# KiCad board Warp-SE.kicad_pcb (continued)
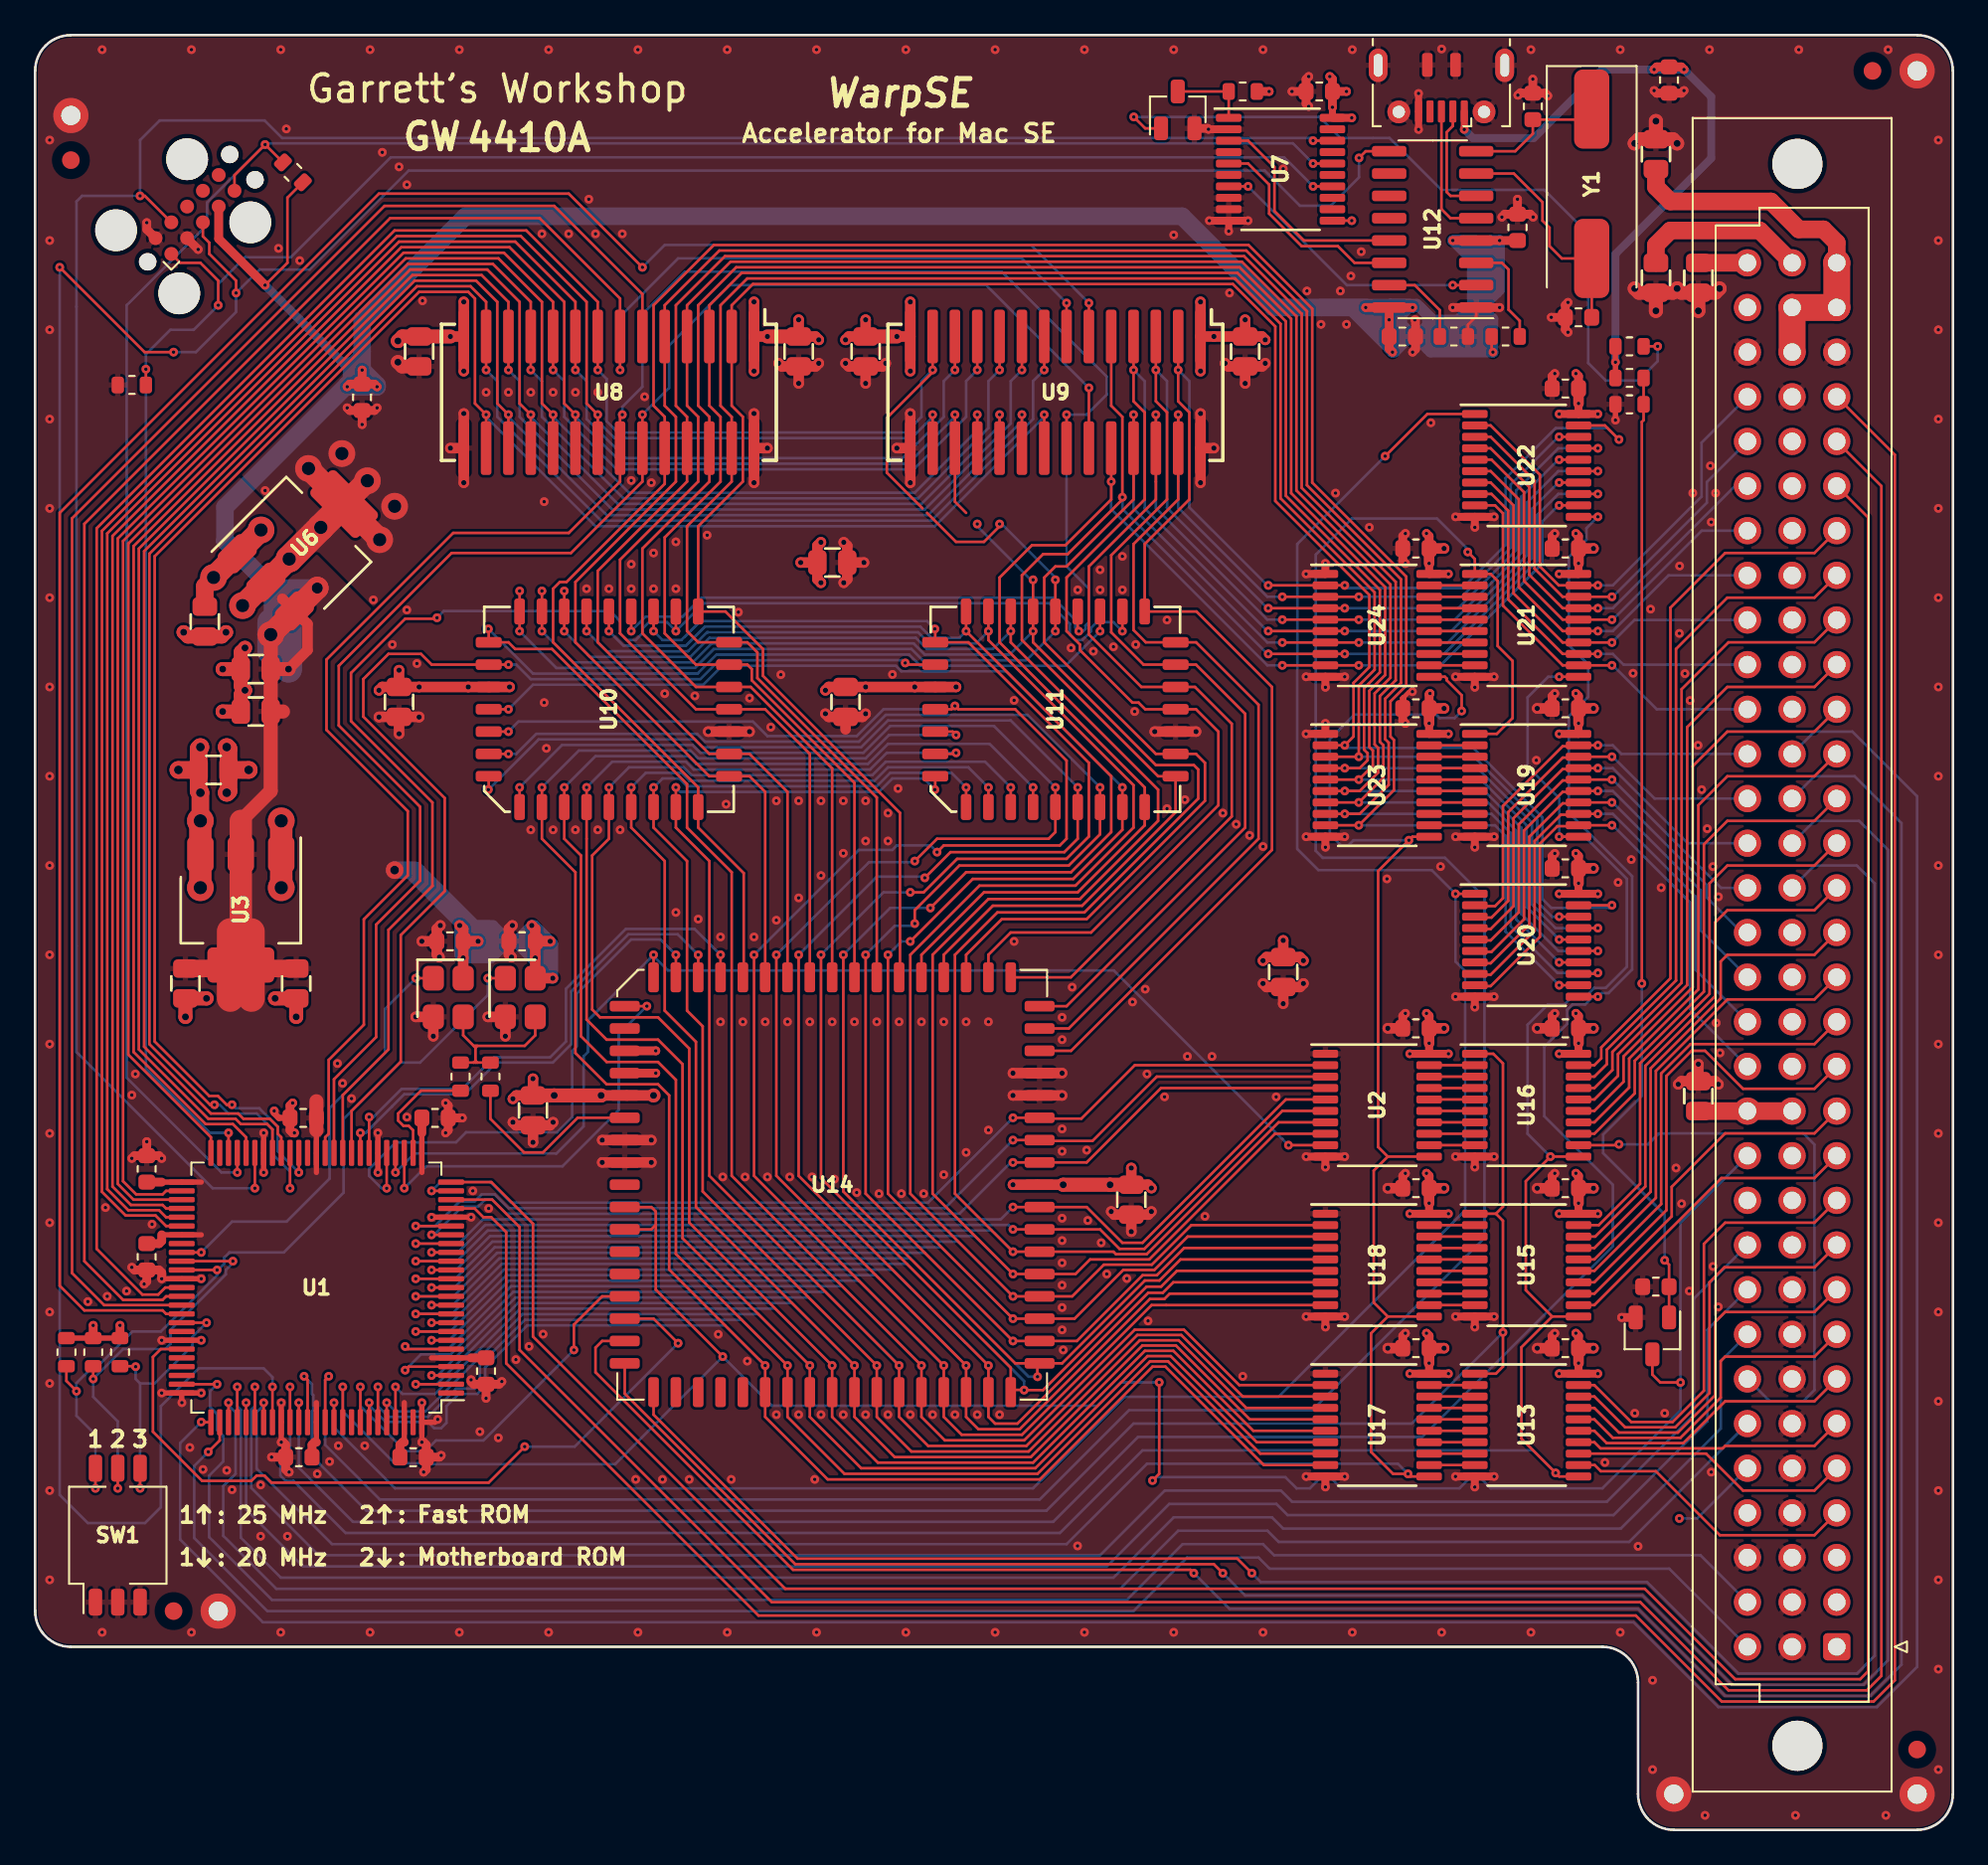
[diagram p0: board, top side]
## Nets (continued)
/Control/TDI: J2.9 U1.45 U7.18
/Control/TMS: J2.5 R15.2 U1.47 U7.16
/Control/U~{WE}: U1.66 U9.6
/Control/~{CAS}: U1.36 U8.23 U9.23
/Control/~{OE}: U1.37 U8.22 U9.22 U10.24 U11.24
/Control/~{RAS}: U1.64 U8.7 U9.7
/Control/~{RESET}: J1.C12 Q2.3 U1.91 U14.19 U14.20
/MC68k/~{IPL}0: J1.B18 U14.27
/MC68k/~{IPL}1: J1.B19 U14.26
/MC68k/~{IPL}2: J1.B20 U14.25
/Prog/JTAG~{OE}: Q1.3 R8.2 U7.1
/Prog/TDO: J2.3 U1.83 U12.9
/Prog/USB5V: C25.1 J3.1 R7.2 R11.2
/Prog/UTCK: U7.7 U12.2
/Prog/UTDI: U7.3 U12.13
/Prog/UTMS: U7.5 U12.14
/RAMROM/B: U10.29 U11.25
Net-(C46-Pad1): C46.1 U12.8 Y1.1
Net-(C47-Pad1): C47.1 U12.7 Y1.2
Net-(C48-Pad1): C48.1 Q2.1 R10.1 R11.1
Net-(J3-Pad2): J3.2 U12.6
Net-(J3-Pad3): J3.3 U12.5
Net-(Q1-Pad1): Q1.1 R7.1
Net-(R1-Pad1): R1.1 R2.1 U4.3 U5.3
Net-(R5-Pad1): R5.1 U12.15
Net-(R9-Pad2): R9.2 U12.3
Net-(U13-Pad2): U13.2 U17.19
Net-(U13-Pad3): U13.3 U17.18
Net-(U13-Pad4): U13.4 U17.17
Net-(U13-Pad5): U13.5 U17.16
Net-(U13-Pad6): U13.6 U17.15
Net-(U13-Pad7): U13.7 U17.14
Net-(U13-Pad8): U13.8 U17.13
Net-(U13-Pad9): U13.9 U17.12
Net-(U15-Pad2): U15.2 U18.19
Net-(U15-Pad3): U15.3 U18.18
Net-(U15-Pad4): U15.4 U18.17
Net-(U15-Pad5): U15.5 U18.16
Net-(U15-Pad6): U15.6 U18.15
Net-(U15-Pad7): U15.7 U18.14
Net-(U15-Pad8): U15.8 U18.13
Net-(U15-Pad9): U15.9 U18.12
Net-(U16-Pad2): U2.19 U16.2
Net-(U16-Pad3): U2.18 U16.3
Net-(U16-Pad4): U2.17 U16.4
Net-(U16-Pad5): U2.16 U16.5
Net-(U16-Pad6): U2.15 U16.6
Net-(U16-Pad7): U2.14 U16.7
Net-(U16-Pad8): U2.13 U16.8
Net-(U16-Pad9): U2.12 U16.9
Net-(U19-Pad2): U19.2 U23.19
Net-(U19-Pad3): U19.3 U23.18
Net-(U19-Pad4): U19.4 U23.17
Net-(U19-Pad5): U19.5 U23.16
Net-(U19-Pad6): U19.6 U23.15
Net-(U19-Pad7): U19.7 U23.14
Net-(U19-Pad8): U19.8 U23.13
Net-(U19-Pad9): U19.9 U23.12
Net-(U21-Pad2): U21.2 U24.19
Net-(U21-Pad3): U21.3 U24.18
Net-(U21-Pad4): U21.4 U24.17
Net-(U21-Pad5): U21.5 U24.16
Net-(U21-Pad6): U21.6 U24.15
Net-(U21-Pad7): U21.7 U24.14
Net-(U21-Pad8): U21.8 U24.13
Net-(U21-Pad9): U21.9 U24.12

Pads without a net: FID1 ~; FID2 ~; FID3 ~; FID4 ~; J1 A1 A2 A3 B10 B11 B12 B22 B23 B24 B25 B26 B27 B28 C4 C5 C11 C31; J2 6 7 8; J3 4; U1 1 39 49 58 68 71 72 73 92 99; U7 12 13 15 17 19; U12 10 11 12; U14 11 18 21 22 28 29 30 31

## Via types
v1: diameter 0.8, hole 0.4, Top to Bottom, 26 vias
v2: diameter 0.5, hole 0.2, Top to Bottom, 798 vias
v3: diameter 1.524, hole 0.762, Top to Bottom, 15 vias
v4: diameter 0.6, hole 0.3, Top to Bottom, 125 vias
v5: diameter 1, hole 0.5, Top to Bottom, 7 vias
v6: diameter 1.27, hole 0.635, Top to Bottom, 1 via

## Routing (per net, layer and track width the routed paths; a pad name or vN(x,y) marks a point on that pad's centre or on a via; arc(x,y) is an arc through that point)
+3V3: length 421.4
  Top w0.15: R15.1 14.35,92.86 14.35,89.15 v2(13.08,87.88) ; R9.1 82.85,84.15 v2(82.93,84.07)
  Top w0.3: 16,39.8 U1.38 16,37.4 ; 22.55,26.85 U1.5 24.8,26.85 ; 9.45,36.85 U1.51 7.2,36.85 ; 16,24.3 U1.88 16,22.05 ; 9.45,33.85 U1.57 7.2,33.85 ; 22,39.65 U1.26 22,37.4 ; 21,22.05 U1.98 21,24.3 ; R6.1 R3.1 R4.1
  Top w0.5: C30.1 15.75,21.9 15.9,22.05 16,22.05 ; C31.1 7.05,33.35 7.2,33.5 7.2,33.85 ; 21,22.05 20.9,22.05 20.75,21.9 C29.1 ; R3.1 v2(3.3,28.7) ; C27.1 22,39.65 ; C28.1 24.8,26.85 ; C32.1 7.2,36.85 ; U12.16 v2(75.69,86.61) ; U12.16 v2(78.36,86.61) ; U12.16 77.03,85.92 v2(77.03,85.92) C21.1 77.03,84.26 v2(77.22,84.07) ; v2(80.64,90.42) U12.4 v2(83.31,90.42) C23.1 ; C11.1 v2(18.6,83.05) ; C11.1 19.3,82.25 v2(19.45,82.1) ; C11.1 17.9,82.25 v2(17.75,82.1) ; v2(13.08,87.88) 10.44,90.52 J2.4 ; R4.1 v2(4.83,28.7)
  Top w0.6: C6.1 v4(29.3,50.55) ; C6.1 28.45,51.25 v4(28.25,51.45) ; C6.1 v4(28.45,49.6) U4.4 v4(29.45,48.45) ; C5.1 24.35,51.25 v4(24.15,51.45) ; C5.1 v4(24.35,49.6) U5.4 ; C5.1 v4(25.2,50.55) ; 13.4,68 v3(13.4,68) ; 14.06,70.04 U6.3 15.49,68.6 15.49,67.12 v1(14.41,66.04)
  Top w0.8: 16,39.8 C26.1 16,41.45 ; 13.4,68 C10.1 ; C10.1 C9.1 ; C10.1 v1(14.41,66.04) ; C9.1 14.1,63.63 ; C9.1 13.4,59.1 11.7,57.4
  Top w1: C7.1 11.5,49 ; C8.1 11.9,49
  Top w1.27: 13.4,68 v3(13.4,68) U6.3 v6(16.05,70.65) 16.05,70.65 ; 11.7,57.4 U3.2 U3.2
  Top w1.524: 11.1,51.1 11.1,49.8 U3.2 ; 12.3,51.1 12.3,49.8 U3.2 ; U3.2 11.1,48.6 11.1,47.3 ; U3.2 12.3,48.6 12.3,47.3
  Bottom w0.5: v2(13.08,87.88) 17.45,83.51 ; 17.45,83.51 17.95,83.51 18.55,84.1 18.6,84.1 ; 17.45,83.51 17.75,83.22 v2(17.75,82.1) ; 17.45,83.51 17.46,83.5 18.15,83.5 v2(18.6,83.05) 17.91,83.05 17.45,83.51
  Bottom w0.6: v4(29.45,48.45) 29.45,50.4 28.4,51.45 ; v4(29.45,48.45) 29.05,48.85 29.05,50.3 v4(29.3,50.55) ; v4(29.45,48.45) 29.4,48.45 ; v4(25.2,50.55) 23.1,52.65 24.15,51.6 24.15,49.8 ; v4(25.2,50.55) 24.3,51.45 v4(24.15,51.45) ; v4(25.2,50.55) 25.2,50.45 v4(24.35,49.6) ; v4(25.2,50.55) 24.65,50.55 ; 24.15,49.8 v4(24.35,49.6) ; 24.15,49.8 v4(24.15,51.45) ; 21.1,54.6 21.9,54.6 ; 21.1,54.6 v5(20.45,54.6) ; 21.1,54.6 24.15,51.55 v4(24.15,51.45) ; 21.9,54.6 25.95,50.55 ; 21.9,54.6 21.75,54.75 ; 28.4,51.45 v4(28.25,51.45) ; 28.4,51.45 v4(29.3,50.55) ; 26,50.55 v4(29.3,50.55) ; v5(20.45,54.6) 20.6,54.75 21.75,54.75 ; v5(20.45,54.6) 20.6,54.45 21.45,54.45 21.75,54.75 ; v4(29.3,50.55) 29.3,50.45 v4(28.45,49.6) ; v4(24.35,49.6) 24.35,51.25 v4(24.15,51.45) ; v4(24.35,49.6) 24.77,50.03 26.37,50.03 ; v4(24.35,49.6) 25.95,49.6 26.37,50.03 ; v4(28.45,49.6) 28.3,49.6 27.35,50.55 ; v4(28.45,49.6) 28.45,51.25 v4(28.25,51.45) ; v4(28.45,49.6) 28.25,49.8 v4(28.25,51.45) ; v4(28.45,49.6) 27.6,50.45 ; v4(24.15,51.45) 26.05,51.45 27.05,50.45 27.6,50.45 ; v4(24.15,51.45) 25.8,51.45 26.8,50.45 ; 27.35,50.55 v4(28.25,51.45) ; 27.35,50.55 27.95,50.55 ; 27.35,50.55 27.35,50.5 29.4,48.45 ; 78.75,86.65 79.2,86.2 79.2,85.6 78.8,85.2 ; 78.75,86.65 79.45,85.95 79.45,85.2 ; 78.75,86.65 80.2,85.2 80.25,85.2 ; 78.75,86.65 77.25,86.65 77.1,86.8 ; 78.75,86.65 79.5,85.9 80.95,85.9 81.75,86.7 ; 78.75,86.65 78.6,86.8 77.1,86.8 ; v2(82.93,84.07) 79.38,84.07 79.2,84.25 ; v2(82.93,84.07) 82.93,85.97 82.6,86.3 82.6,86.9 83.15,87.45 ; v2(82.93,84.07) 82.75,84.25 79.2,84.25 ; v2(82.93,84.07) 82.6,84.41 82.6,84.85 ; v2(82.93,84.07) 82.2,84.8 78.1,84.8 ; 78.8,85.2 78.2,85.2 77.49,85.92 v2(77.03,85.92) ; 78.8,85.2 79.45,85.2 ; 80.65,84.8 81.45,84.8 82.6,85.95 ; 80.65,84.8 81.57,85.73 ; 80.65,84.8 78.1,84.8 ; 29.4,48.45 27.4,50.45 26.8,50.45 ; 82.6,89.71 81.89,90.42 v2(80.64,90.42) ; 82.6,89.71 v2(83.31,90.42) ; 82.6,89.71 82.6,85.95 ; 79.45,85.2 80.25,85.2 ; 82.6,85.95 82.6,84.85 ; 82.6,84.85 82.45,84.85 81.57,85.73 ; v2(83.31,90.42) 83.15,90.26 83.15,87.45 ; v2(83.31,90.42) v2(80.64,90.42) ; v2(83.31,90.42) 83.31,87.62 83.15,87.45 ; v2(83.31,90.42) 82.85,90.42 81.75,89.32 ; v2(83.31,90.42) 82.3,89.41 ; 81.57,85.73 82.3,86.45 82.3,89.41 ; 81.75,89.32 v2(80.64,90.42) ; 81.75,89.32 81.75,86.7 ; 80.25,85.2 81.75,86.7 ; 79.2,84.25 78.65,84.8 78.1,84.8 ; 77.1,86.8 73.38,86.8 73.19,86.61 74.68,86.61 ; 77.1,86.8 78.17,86.8 v2(78.36,86.61) ; 74.68,86.61 75.14,86.61 77.03,84.73 ; 74.68,86.61 v2(77.22,84.07) ; v2(78.36,86.61) 77.72,86.61 v2(77.03,85.92) ; v2(78.36,86.61) 78.16,86.61 ; v2(78.36,86.61) v2(75.69,86.61) ; v2(80.64,90.42) 81.29,90.42 82.3,89.41 ; 27.6,50.45 26.8,50.45 ; v2(77.22,84.07) 77.22,85.73 v2(77.03,85.92) ; v2(77.22,84.07) 77.34,84.07 78.07,84.8 78.1,84.8 ; v2(77.22,84.07) 77.22,85.09 v2(75.69,86.61) ; v2(77.22,84.07) 77.22,85.67 78.16,86.61 ; v2(77.22,84.07) 77.03,84.26 77.03,84.73 ; v2(77.22,84.07) 77.75,84.61 77.75,86.2 78.16,86.61 ; v2(75.69,86.61) 76.39,85.92 v2(77.03,85.92) ; v2(75.69,86.61) 76.33,86.61 v2(77.03,85.92) ; 26.37,50.03 26.8,50.45 ; v2(77.03,85.92) 77.03,84.73
  Bottom w0.8: v4(25.2,50.55) 28.75,50.55
  Bottom w1: v5(20.45,54.6) 21.6,54.6 ; 10.8,73.34 13.5,70.64 13.5,68.1 ; 10.8,73.34 13.99,70.15 ; 10.8,73.34 10.8,75.25 v2(18.6,83.05) ; 10.8,73.34 13.49,70.65 v6(16.05,70.65) ; 14.67,69.46 14.67,66.3 v1(14.41,66.04) 13.99,66.46 13.99,70.15 ; 14.67,69.46 13.4,68.19 v3(13.4,68) ; 14.67,69.46 13.99,70.15 ; v2(18.6,83.05) 19.45,82.2 v2(19.45,82.1) v2(17.75,82.1) 17.75,82.2 v2(18.6,83.05) ; v2(18.6,83.05) 18.6,85.92 24.48,91.8 65.25,91.8 70.44,86.61 v2(75.69,86.61)
  Bottom w1.27: v6(16.05,70.65) 14.41,69.02 v1(14.41,66.04)
  Bottom w1.524: v3(13.4,68) 14.41,66.99 v1(14.41,66.04) 13.4,67.05 v3(13.4,68) ; v3(13.4,68) 13.4,68.71 ; v3(13.4,68) 13.5,68.1
+5V: length 162.7
  Top w0.15: U7.11 v2(74.9,91.55)
  Top w0.4: U7.20 v2(73.8,98)
  Top w0.45: v2(80.4,71.45) U24.20 v2(79.3,72.05) ; v2(86.7,71.45) U21.20 v2(87.8,72.05) ; U2.20 v2(78.2,44.15) ; U2.20 v2(79.3,44.75) ; U2.20 v2(80.4,44.15) ; v2(79.3,62.95) U23.20 v2(80.4,62.35) ; U13.20 v2(88.9,25.95) ; U13.20 v2(86.7,25.95) ; U13.20 v2(87.8,26.55) ; U22.20 v2(88.9,80.55) ; U22.20 v2(87.8,81.15) ; U22.20 v2(86.7,80.55) ; U15.20 v2(86.7,35.05) ; U15.20 v2(88.9,35.05) ; U15.20 v2(87.8,35.65) ; v2(86.7,62.35) U19.20 v2(87.8,62.95) ; U20.20 v2(86.7,53.25) ; U20.20 v2(87.8,53.85) ; U20.20 v2(88.9,53.25) ; v2(87.8,44.75) U16.20 v2(86.7,44.15) ; U18.20 v2(78.2,35.05) ; U18.20 v2(79.3,35.65) ; U18.20 v2(80.4,35.05) ; U17.20 v2(79.3,26.55) ; U17.20 v2(78.2,25.95) ; U17.20 v2(80.4,25.95) ; U7.20 v2(74.9,97.4)
  Top w0.5: 33.67,43.05 v2(35.31,43.05) ; 33.67,44.32 v2(35.31,44.32) ; C36.1 79.3,64.6 v2(79.35,64.65) ; C35.1 87.8,73.6 v2(87.65,73.75) ; v2(79.15,73.75) 79.3,73.6 C34.1 ; v2(87.65,64.65) 87.8,64.5 C37.1 ; v2(87.65,82.85) 87.8,82.7 C33.1 ; v2(79.15,46.45) 79.3,46.3 C39.1 ; C38.1 87.8,55.4 v2(87.65,55.55) ; v2(87.65,46.45) 87.8,46.3 C40.1 ; v2(79.15,28.25) 79.3,28.1 C43.1 ; C44.1 87.8,28.1 v2(87.65,28.25) ; C41.1 79.3,37.2 v2(79.15,37.35) ; v2(87.65,37.35) 87.8,37.2 C42.1 ; C49.1 v2(74.6,98.9) ; C49.1 v2(73.8,98) ; C49.1 73.8,99.6 v2(73.65,99.75) ; R8.1 v2(70.2,98.9)
  Top w0.6: C15.1 69.79,84.96 v4(69.98,84.77) ; C15.1 v4(67.06,84.96) U9.1 ; C15.1 v4(68.83,85.92) ; U8.1 v4(41.66,84.96) ; U8.1 v4(40.89,82.99) ; U8.1 v4(40.89,86.93) ; 24.38,84.96 v4(24.38,82.99) ; 24.38,84.96 v4(24.38,86.93) ; 24.38,84.96 v4(23.62,84.96) ; U9.1 v4(66.29,86.93) ; U9.1 v4(66.29,82.99) ; U9.14 v4(49.78,82.99) ; U9.14 v4(49.78,86.93) ; U9.14 v4(49.02,84.96) ; C16.1 v4(20.7,65.98) ; C16.1 v4(21.84,65.02) v4(24.64,65.02) U10.32 v4(26.99,65.02) ; C16.1 19.75,65.02 v4(19.56,64.83) ; v4(52.39,65.02) U11.32 v4(50.04,65.02) v4(47.24,65.02) C17.1 45.15,65.02 v4(44.96,64.83) ; v1(58.48,36.7) v4(55.63,36.7) ; v4(43.43,85.92) C13.1 44.39,84.96 v4(44.58,84.77) ; v4(47.24,85.92) C14.1 46.29,84.96 v4(46.1,84.77) ; v1(35.18,41.78) v1(32.19,41.78) ; v4(27.18,41.59) 27.37,41.78 C1.1 v4(28.32,42.74) ; v2(79.3,44.75) C39.1 v4(80.15,45.6) ; v4(63.5,36.51) 63.31,36.7 C2.1 v4(62.36,37.66) ; v2(79.3,26.55) C43.1 v4(80.15,27.4) ; v2(87.8,35.65) C42.1 v4(88.65,36.5) ; v2(79.3,35.65) C41.1 v4(80.15,36.5) ; v2(87.8,26.55) C44.1 v4(88.65,27.4) ; v2(87.8,44.75) C40.1 v4(88.65,45.6) ; v2(87.8,53.85) C38.1 v4(88.65,54.7) ; v2(87.8,62.95) C37.1 v4(88.65,63.8) ; v2(79.3,62.95) C36.1 v4(80.15,63.8) ; v2(79.3,72.05) C34.1 v4(80.15,72.9) ; v2(87.8,72.05) C35.1 v4(88.65,72.9) ; v2(87.8,81.15) C33.1 ; C19.1 v4(71,50.6) ; C19.1 70.05,49.65 v4(69.85,49.45) ; C19.1 71.95,49.65 v4(72.15,49.45) ; v4(44.7,73.25) 44.5,73.05 C45.1 ; C45.1 v4(43.55,72.1) ; C45.1 44.5,71.15 v4(44.7,70.95)
  Top w0.8: v4(23.62,84.96) C12.1 20.89,84.96 v1(20.64,84.71) ; v4(41.66,84.96) C13.1 ; C14.1 v4(49.02,84.96) ; v1(58.48,36.7) v1(61.15,36.7) C2.1 ; C1.1 v1(29.53,41.78) v1(32.19,41.78)
  Top w1: v3(10.15,71.25) 9.65,70.76 C4.1 ; v5(9.4,61.6) 9.3,61.5 C3.1 ; C3.1 v5(8.15,60.3) ; C3.1 9.3,59.1 v5(9.4,59) v3(9.4,57.4) ; 97.54,40.89 97.55,40.9 ; C18.1 J1.C13 J1.B13
  Top w1.27: v3(10.15,71.25) 10.15,71.26 U6.1 12.85,73.95 v3(12.85,73.95) ; v3(9.4,57.4) U3.3 v3(9.4,53.6)
+12V: length 21.4
  Top w1: J1.A32 102.49,90.3 101.73,91.06 100.33,91.06 98.74,92.65 93.03,92.65 92.2,93.47 C22.1
  Top w1.524: J1.B30 J1.B31 J1.A31 J1.A32
-5V: length 9.9
  Top w1: J1.B32 98.11,91 93.03,91 92.2,90.17 C20.1
-12V: length 2.8
  Top w1: C24.1 J1.C32
GND: length 256
  Top w0.15: C36.2 77.8,64.48 77.71,64.39 77.71,63.89 C36.2 ; C36.2 77.94,63.94 77.94,64.44 78.25,64.75 v2(78.35,64.75) 78.1,64.75 77.8,64.45 C36.2 ; U12.1 81.98,86.1 81.51,85.64 R5.2
  Top w0.3: v2(14,22.05) U1.84 v2(14,24.3) ; U1.100 v2(22,22.05) ; U1.100 v2(22,24.3) ; U1.100 22.74,23.19 v2(22.9,23.35) ; v2(7.2,31.35) U1.62 v2(9.45,31.35) ; v2(9.45,27.85) U1.69 v2(7.2,27.85) ; U1.75 v2(7.2,24.85) ; U1.75 8.34,24.32 v2(8.35,24.3) ; U1.75 v2(9.45,24.85) ; v2(13,39.65) U1.44 v2(13,37.4) ; v2(19.5,39.65) U1.31 v2(19.5,37.4) ; v2(24.8,34.85) U1.21 v2(22.55,34.85) ; R10.2 v2(89.9,80.2)
  Top w0.35: C26.2 13.86,40.5 13.6,40.77 v2(13.6,40.9)
  Top w0.4: U7.10 v2(67.9,90.95) ; v2(78.7,98.79) J3.5 v2(78.7,96.74)
  Top w0.45: v2(72.3,71.45) U24.1 v2(73.4,72.05) ; v2(73.4,62.95) U23.1 v2(72.3,62.35) ; U2.10 v2(73.4,37.7) ; U2.10 v2(72.3,38.3) ; U2.10 v2(74.5,38.3) ; U22.10 v2(83,74.7) ; U22.10 v2(80.8,74.7) ; U22.10 v2(81.9,74.1) ; U21.10 v2(83,65.6) ; U21.10 v2(81.9,65) ; U21.10 v2(80.8,65.6) ; U19.10 v2(80.8,56.5) ; U19.10 v2(81.9,55.9) ; U19.10 v2(83,56.5) ; U20.10 v2(81.9,46.8) ; U20.10 v2(83,47.4) ; U20.10 v2(80.8,47.4) ; U16.10 v2(80.8,38.3) ; U16.10 v2(83,38.3) ; U16.10 v2(81.9,37.7) ; U15.10 v2(83,29.2) ; U15.10 v2(80.8,29.2) ; U15.10 v2(81.9,28.6) ; U23.10 v2(72.3,56.5) ; U23.10 v2(73.4,55.9) ; U23.10 v2(74.5,56.5) ; U24.10 v2(73.4,65) ; U24.10 v2(74.5,65.6) ; U24.10 v2(72.3,65.6) ; U13.10 v2(83,20.1) ; U13.10 v2(80.8,20.1) ; U13.10 v2(81.9,19.5) ; U18.10 v2(72.3,29.2) ; U18.10 v2(73.4,28.6) ; U18.10 v2(74.5,29.2) ; U17.10 v2(74.5,20.1) ; U17.10 v2(73.4,19.5) ; U17.10 v2(72.3,20.1) ; U7.2 v2(66.75,96.75) ; v2(66.8,91.55) U7.10 v2(69,91.55)
  Top w0.5: C37.2 86.3,64.5 v2(86.45,64.65) ; C33.2 86.3,82.7 v2(86.45,82.85) ; v2(86.45,73.75) 86.3,73.6 C35.2 ; v2(77.95,73.75) 77.8,73.6 C34.2 77.8,72.2 v2(77.95,72.05) ; C38.2 86.3,55.4 v2(86.45,55.55) ; v2(86.45,46.45) 86.3,46.3 C40.2 ; C42.2 86.3,37.2 v2(86.45,37.35) ; C41.2 77.8,37.2 v2(77.95,37.35) ; v2(86.45,28.25) 86.3,28.1 C44.2 ; C43.2 77.8,28.1 v2(77.95,28.25) ; C36.2 77.8,63.1 v2(77.95,62.95) ; v2(14,22.05) 14.1,22.05 14.25,21.9 C30.2 ; C30.2 14.25,20.5 14.4,20.35 v2(14.45,20.35) ; C30.2 v2(13.45,21.2) ; C29.2 22.25,21.9 22.1,22.05 v2(22,22.05) ; C29.2 23,21.2 v2(23.1,21.3) ; C29.2 22.25,20.5 v2(22.1,20.35) ; C39.2 77.8,46.3 v2(77.95,46.45) ; C31.2 5.65,31.85 v2(5.5,32) ; C31.2 6.35,31.2 v2(6.2,31.05) ; C31.2 7.05,31.85 7.2,31.7 v2(7.2,31.35) ; C32.2 5.65,38.35 v2(5.5,38.2) ; C32.2 v2(6.35,39.15) ; C32.2 7.05,38.35 v2(7.2,38.2) ; v2(14.65,41.35) 14.5,41.2 C26.2 14.5,39.8 14.65,39.65 v2(14.75,39.65) ; C27.2 v2(24.3,40.5) ; C27.2 23.5,39.8 v2(23.35,39.65) ; C27.2 23.5,41.2 v2(23.35,41.35) ; v2(24.8,25.6) 24.8,25.5 24.95,25.35 C28.2 ; C28.2 v2(25.65,24.55) ; C28.2 26.4,25.35 v2(26.55,25.5) ; v2(83.31,86.61) U12.1 v2(80.64,86.61) ; 78.53,85.92 C21.2 78.53,84.24 v2(78.36,84.07) ; C49.2 72.3,98.2 v2(72.45,98.05) ; C49.2 72.3,99.6 v2(72.45,99.75) ; C49.2 v2(71.5,98.9) ; v2(93.8,98.95) 93.65,98.8 C25.2 92.25,98.8 v2(92.1,98.95) ; v2(66.75,96.75) 66.7,96.8 Q1.2 ; J2.10 6.35,91.06 v2(6.35,91.44) ; C11.2 v2(18.6,79.95) ; C11.2 19.3,80.75 v2(19.45,80.9) ; C11.2 17.9,80.75 v2(17.75,80.9) ; 84.5,98.84 v2(84.35,98.69) ; v2(85.22,91.76) 85.05,91.92 C23.2 ; C23.2 v2(84.33,92.77) ; C23.2 83.61,91.92 v2(83.44,91.76) ; C46.2 85.9,98.8 v2(86.05,98.65) ; C46.2 v2(85.2,99.6) ; C46.2 84.5,98.8 ; v2(9.27,89.92) 8.65,90.54 J2.2 ; Q2.2 v2(90.25,29.15) ; v2(87.2,85.2) 87.05,85.35 C47.2 ; C47.2 87.05,86.75 v2(87.2,86.9) ; C47.2 v2(86.25,86.05)
  Top w0.6: v4(21.84,63.31) 21.83,63.32 C16.2 ; v4(19.56,63.31) 19.57,63.32 C16.2 ; C16.2 v4(20.7,62.36) ; C17.2 46.1,62.61 ; C17.2 45.13,63.32 v4(44.96,63.5) ; C17.2 47.07,63.32 v4(47.24,63.5) ; C41.2 v4(76.95,36.5) ; C42.2 v4(85.45,36.5) ; C44.2 v4(85.45,27.4) ; v4(63.5,35.18) 63.32,35 C2.2 ; C43.2 v4(76.95,27.4) ; C40.2 v4(85.45,45.6) ; C2.2 61.39,35 v4(61.21,35.18) ; C2.2 v4(62.36,34.04) ; C18.2 v4(94.62,43.56) ; C18.2 93.65,42.59 v4(93.47,42.42) ; C18.2 95.58,42.59 v4(95.76,42.42) ; C37.2 v4(85.45,63.8) ; v4(66.04,62.48) U11.16 v4(63.69,62.48) ; v4(40.64,62.48) U10.16 v4(38.29,62.48) ; v4(42.29,83.44) 42.47,83.26 C13.2 ; C13.2 v4(43.43,82.3) ; C13.2 44.4,83.26 v4(44.58,83.44) ; C14.2 48.21,83.26 v4(48.39,83.44) ; C14.2 46.28,83.26 v4(46.1,83.44) ; C14.2 v4(47.24,82.3) ; U9.28 v4(66.29,76.64) ; U9.28 v4(66.29,80.58) ; U9.28 v4(67.06,78.61) ; U9.15 v4(49.78,76.64) ; U9.15 v4(49.78,80.58) ; U9.15 v4(49.02,78.61) ; U8.28 v4(40.89,80.58) ; U8.28 v4(41.66,78.61) ; U8.28 v4(40.89,76.64) ; 24.38,78.61 v4(23.62,78.61) ; 24.38,78.61 v4(24.38,76.64) ; 24.38,78.61 v4(24.38,80.58) ; C39.2 v4(76.95,45.6) ; v4(22.65,45.15) U5.2 v4(21.65,46.25) ; v4(58.42,43.05) v4(55.63,43.05) ; v4(58.42,41.78) v4(55.63,41.78) ; v4(35.05,37.97) v4(32.26,37.97) ; v4(35.05,39.24) v4(32.26,39.24) ; v4(69.98,83.44) 69.8,83.26 C15.2 ; C15.2 67.87,83.26 v4(67.69,83.44) ; C15.2 v4(68.83,82.3) ; v4(23,49.65) 22.85,49.8 C5.2 ; C5.2 22.85,51.25 v4(23.05,51.45) ; C5.2 v4(22,50.55) ; v4(27.1,49.65) 26.95,49.8 C6.2 26.95,51.25 v4(27.15,51.45) ; v4(25.75,46.25) U4.2 v4(26.75,45.15) ; v4(27.18,40.26) 27.35,40.08 C1.2 ; C1.2 29.29,40.08 v4(29.46,40.26) ; C1.2 v4(28.32,39.12) ; C19.2 v4(71,47) ; C19.2 71.95,47.95 v4(72.15,48.15) ; C19.2 70.05,47.95 v4(69.85,48.15) ; C45.2 46.2,73.05 v4(46,73.25) ; C45.2 46.2,71.15 v4(46,70.95) ; C45.2 v4(47.15,72.1)
  Top w0.8: C22.2 93.17,96.19 v1(93.41,95.95) ; C22.2 91.23,96.19 v1(91,95.95) ; C22.2 v1(92.2,97.22) ; C10.2 v1(10.67,66.04) ; C10.2 11.7,65.07 v1(11.94,64.83) 11.7,64.59 C9.2 v1(10.67,63.63) ; C10.2 11.7,67.01 v1(11.94,67.25) ; v1(10.86,68.14) 10.62,67.9 C4.2 8.69,67.9 v1(8.45,68.14) ; v1(95.82,87.69) 95.58,87.45 C24.2 ; C24.2 93.65,87.45 v1(93.41,87.69) 93.17,87.45 C20.2 ; C24.2 v1(94.62,86.42) ; v1(91,87.69) 91.23,87.45 C20.2 ; C20.2 v1(92.2,86.42) ; v1(20.64,83.5) 20.88,83.26 C12.2 ; v1(9.75,47.3) C7.2 v1(8.55,46.25) ; v1(13.65,47.3) C8.2 v1(14.85,46.25)
  Top w1: C3.2 v5(12.15,60.3) ; C3.2 11,59.1 v5(10.9,59) ; C3.2 11,61.5 v5(10.9,61.6)
  Top w1.27: U6.2 v3(18.9,76.75) ; U6.2 19.6,73.41 v3(19.6,73.4) ; U6.2 17.57,75.43 v3(15.55,77.45) ; v3(11.8,69.65) U6.2 v3(14.45,72.3) ; v3(14,53.6) U3.1 v3(14,57.4)
  Top w1.524: U6.2 v3(16.25,74.1) v3(14.45,72.3)
  vias: v2(0.83,96.14) v2(0.83,90.42) v2(0.83,85.34) v2(0.83,80.26) v2(0.83,75.18) v2(0.83,70.1) v2(0.83,65.02) v2(0.83,59.94) v2(0.83,54.86) v2(0.83,49.78) v2(0.83,44.7) v2(0.83,39.62) v2(0.83,34.54) v2(0.83,29.46) v2(0.83,25.4) v2(0.83,19.3) v2(0.83,14.22) v2(3,30.05) v2(3.81,101.28) v2(3.81,11.24) v2(4,35.4) v2(4.1,30.35) v2(5.2,30.65) v2(5.5,41.8) v2(5.7,43) v2(6.65,34.45) v2(8.8,21.75) v2(8.89,101.28) v2(8.89,11.24) v2(9.55,20.5) v2(10.9,20.45) v2(11.2,19.35) v2(12.83,19.62) v2(12.83,16.7) v2(13.08,76.2) v2(13.84,89.98) v2(13.97,101.28) v2(13.97,11.24) v2(14.29,96.77) v2(14.35,16.7) v2(15.05,89.28) v2(16.05,20.25) v2(16.75,20.95) v2(17.2,43.6) v2(17.25,21.85) v2(17.49,42.47) v2(18,41.6) v2(18.75,21.85) v2(19.05,101.28) v2(19.05,11.24) v2(19.24,69.98) v2(19.75,95.44) v2(20.32,67.44) v2(20.7,94.62) v2(21.15,93.6) v2(21.15,69.41) v2(21.15,40.55) v2(21.72,66.36) v2(22.03,87) v2(24.13,101.28) v2(24.13,11.24) v2(24.9,36.35) v2(25.3,22.65) v2(25.65,81.79) v2(25.8,35.35) v2(26.35,22.3) v2(26.92,81.79) v2(27.35,26.75) v2(28.1,27.5) v2(28.19,81.79) v2(28.19,56.9) v2(28.83,90.81) v2(28.96,75.57) v2(28.96,64.14) v2(28.9,28.2) v2(29.08,61.53) v2(29.21,101.28) v2(29.21,11.24) v2(29.46,81.79) v2(29.46,56.9) v2(30.35,90.81) v2(30.73,81.79) v2(30.73,56.9) v2(31.37,70.61) v2(31.5,92.77) v2(31.88,90.81) v2(32,81.79) v2(32,56.9) v2(32.64,70.61) v2(33.27,56.9) v2(33.4,90.81) v2(33.91,76.77) v2(33.91,72.01) v2(33.91,70.61) v2(34.16,19.94) v2(34.29,101.28) v2(34.29,11.24) v2(34.67,81.53) v2(35.05,76.64) v2(35.18,72.64) v2(35.18,70.61) v2(35.69,19.94) v2(35.81,64.64) v2(36.45,73.28) v2(36.45,70.61) v2(36.45,52.2) v2(37.21,19.94) v2(37.53,64.52) v2(37.72,51.82) v2(38.23,73.66) v2(38.86,28.19) v2(38.99,50.8) v2(38.99,45.97) v2(39.12,37.15) v2(39.37,101.28) v2(39.31,58.36) v2(39.37,11.24) v2(39.6,19.94) v2(40,69.28) v2(40.26,45.97) v2(40.39,37.15) v2(40.51,26.67) v2(40.64,64.39) v2(40.89,50.8) v2(41.53,45.97) v2(41.66,37.15) v2(41.85,62.74) v2(42.16,58.55) v2(42.16,51.75) v2(42.16,23.62) v2(42.42,65.72) v2(42.8,45.97) v2(42.93,37.15) v2(43.43,58.55) v2(43.43,53.02) v2(43.43,23.62) v2(44.07,45.97) v2(44.2,37.15) v2(44.35,19.94) v2(44.45,101.28) v2(44.45,11.24) v2(44.7,58.55) v2(44.7,54.29) v2(44.7,23.62) v2(45.34,45.97) v2(45.47,37.02) v2(45.97,58.55) v2(45.97,55.56) v2(45.97,23.62) v2(46.61,45.97) v2(46.74,36.26) v2(47.24,58.55) v2(47.24,56.26) v2(47.24,23.62) v2(47.88,45.97) v2(48.01,36.2) v2(48.51,57.85) v2(48.51,56.26) v2(48.51,23.62) v2(48.77,65.74) v2(49.09,59.25) v2(49.15,45.97) v2(49.28,36.2) v2(49.53,101.28) v2(49.53,11.24) v2(49.78,23.62) v2(50.42,45.97) v2(50.55,36.2) v2(51.05,23.62) v2(51.69,45.97) v2(51.69,37.27) v2(52.32,23.62) v2(52.96,45.97) v2(52.96,38.54) v2(53.59,23.62) v2(54.23,45.97) v2(54.23,39.81) v2(54.61,101.28) v2(54.61,11.24) v2(54.86,23.62) v2(55.69,64.26) v2(55.69,50.55) v2(58.42,46.23) v2(58.42,44.96) v2(58.42,39.88) v2(58.42,38.61) v2(58.42,34.8) v2(58.42,33.53) v2(58.42,32.26) v2(58.42,30.99) v2(58.42,29.72) v2(58.42,28.45) v2(58.48,27.31) v2(58.93,67.25) v2(58.99,47.94) v2(59.31,70.55) v2(59.3,16.15) v2(59.69,101.28) v2(59.69,11.24) v2(59.82,38.67) v2(59.88,34.67) v2(60.2,67.06) v2(60.58,71.69) v2(60.58,70.55) v2(60.64,33.4) v2(60.96,31.62) v2(61.34,67.31) v2(61.85,72.45) v2(61.85,70.55) v2(62.1,31.37) v2(62.42,47.1) v2(62.55,63.63) v2(62.61,67.44) v2(63.15,47.83) v2(63.25,43) v2(63.31,28.96) v2(64.25,41.7) v2(64.39,68.83) v2(64.39,58.1) v2(64.77,101.28) v2(64.77,90.74) v2(64.77,11.24) v2(65.41,58.61) v2(65.55,44) v2(66.55,34.9) v2(66.95,44) v2(67.56,57.85) v2(67.94,87.44) v2(68.33,57.21) v2(68.7,25.8) v2(69.09,56.58) v2(69.85,101.28) v2(69.85,55.94) v2(69.85,11.24) v2(70.6,41.7) v2(71,94.5) v2(72.35,87.55) v2(73.15,85.65) v2(73.97,76.05) v2(74.25,87.55) v2(74.6,85.65) v2(74.85,88.4) v2(74.93,101.28) v2(74.93,11.24) v2(75.44,89.79) v2(75.9,74.1) v2(76.9,54.1) v2(78.49,85.92) v2(79.4,80.05) v2(79.95,54.8) v2(80.01,101.32) v2(80.01,11.24) v2(85.09,101.28) v2(85.09,11.24) v2(85.4,60.85) v2(89.3,20.9) v2(90.05,53.9) v2(90.17,101.28) v2(90.17,11.24) v2(90.8,55.2) v2(90.9,65.8) v2(91,23.7) v2(91.19,16.13) v2(91.9,69.45) v2(92.01,8.51) v2(92.01,3.43) v2(92.5,53.6) v2(92.7,23.7) v2(93.34,37.66) v2(93.55,71.9) v2(93.54,68.07) v2(93.66,35.62) v2(93.85,65.79) v2(94.1,30.65) v2(94.15,64.25) v2(94.3,76.05) v2(94.6,61.7) v2(94.81,59.18) v2(95,0.83) v2(95.12,56.96) v2(95.25,101.28) v2(95.3,77.6) v2(95.35,74.4) v2(95.35,20.35) v2(95.44,54.8) v2(95.45,32.05) v2(95.6,76.05) v2(95.63,45.91) v2(95.76,53.09) v2(95.75,29.75) v2(95.85,44.2) v2(100.14,0.83) v2(100.33,101.28) v2(105.28,0.83) v2(105.41,101.28) v2(108.27,96.14) v2(108.27,90.42) v2(108.27,85.34) v2(108.27,80.26) v2(108.27,75.18) v2(108.27,70.1) v2(108.27,65.02) v2(108.27,59.94) v2(108.27,54.86) v2(108.27,49.78) v2(108.27,44.7) v2(108.27,39.62) v2(108.27,34.54) v2(108.27,29.46) v2(108.27,24.38) v2(108.27,19.3) v2(108.27,14.22) v2(108.27,9.14) v2(108.27,3.43) v3(17.45,78.3) v3(20.45,75.3)
/Buf/AccA1: length 136.4
  Top w0.15: 41.53,25.03 v2(41.53,26.42) 36.07,31.88 36.07,41.78 35.43,42.42 32.51,42.42 30.73,44.2 30.73,54.48 28.83,56.39 U10.6 v2(28.83,59.31) ; U1.94 v2(19,24.3) ; 41.58,24.98 41.53,24.93 41.53,23.5 45.09,19.94 57.15,19.94 63.56,26.35 64.3,26.35 69.9,20.75 U17.9 ; v2(52.39,62.29) 52.2,62.48 U11.2
  Bottom w0.15: v2(28.83,59.31) 30.92,61.4 37.27,61.4 37.72,60.96 47.24,60.96 48.58,62.29 v2(52.39,62.29) ; v2(19,24.3) 19,24.15 19.95,23.2 22.35,23.2 22.7,22.85 23.1,22.85 23.4,23.15 23.4,24.1 24.1,24.8 25.15,24.8 25.6,25.25 25.6,26.3 28,28.7 39.24,28.7 v2(41.53,26.42)
/Buf/AccA2: length 140.4
  Top w0.15: U1.95 v2(19.5,25.2) ; v2(30.1,59.31) U10.7 30.1,56.39 31.05,55.44 31.05,45.15 32.51,43.69 35.43,43.69 36.45,42.67 36.45,32.77 v2(42.8,26.42) 42.8,23.5 46.04,20.26 57.02,20.26 63.42,26.65 64.45,26.65 69.7,21.4 U17.8 ; U11.8 v2(56.77,59.31)
  Bottom w0.15: v2(56.77,59.31) 54.29,61.79 48.51,61.79 47.37,60.64 37.59,60.64 37.15,61.09 31.88,61.09 v2(30.1,59.31) ; v2(42.8,26.42) 40.2,29.02 27.86,29.02 25.3,26.45 25.3,25.4 25,25.1 23.95,25.1 22.35,23.5 20.1,23.5 19.5,24.1 v2(19.5,25.2)
/Buf/AccA3: length 130.3
  Top w0.15: U17.7 69.5,22.05 64.6,26.95 63.28,26.95 56.9,20.57 46.99,20.57 44.07,23.5 v2(44.07,26.42) 36.83,33.66 36.83,43.56 35.43,44.96 32.51,44.96 31.37,46.1 U10.8 v2(31.37,59.31) ; U1.96 v2(20,24.3) ; U11.3 52.32,61.21 v2(52.39,61.28)
  Bottom w0.15: v2(20,24.3) 20.5,23.8 22.2,23.8 27.73,29.34 41.15,29.34 v2(44.07,26.42) ; v2(31.37,59.31) 32.83,60.77 37.02,60.77 37.47,60.33 47.5,60.33 48.45,61.28 v2(52.39,61.28)
/Buf/AccA4: length 133.4
  Top w0.15: U1.97 v2(20.5,25.2) ; v2(32.64,59.31) U10.9 32.64,56.39 31.69,55.44 31.69,46.67 32.13,46.23 35.43,46.23 37.21,44.45 37.21,34.54 v2(45.34,26.42) 45.34,23.5 47.94,20.89 56.77,20.89 63.13,27.25 64.75,27.25 69.3,22.7 U17.6 ; U11.7 v2(55.5,59.31)
  Bottom w0.15: v2(32.64,59.31) 33.78,60.45 36.89,60.45 37.34,60.01 47.62,60.01 48.39,60.77 54.04,60.77 v2(55.5,59.31) ; v2(45.34,26.42) 42.1,29.65 27.6,29.65 22.75,24.8 20.9,24.8 v2(20.5,25.2)
/Buf/AccA5: length 126.3
  Top w0.15: v2(33.91,59.31) U10.10 33.91,57.02 35.81,55.12 35.81,46.61 37.59,44.83 37.59,35.43 v2(46.61,26.42) 46.61,23.5 48.89,21.21 56.64,21.21 62.99,27.55 64.9,27.55 69.1,23.35 U17.5 ; U1.2 v2(21.65,25.35) ; U11.6 v2(54.23,59.31)
  Bottom w0.15: v2(33.91,59.31) 34.73,60.13 36.77,60.13 37.21,59.69 47.75,59.69 48.51,60.45 53.09,60.45 v2(54.23,59.31) ; v2(46.61,26.42) 43.05,29.97 27.47,29.97 22.85,25.35 v2(21.65,25.35)
/Buf/AccA6: length 121.5
  Top w0.15: v2(35.18,59.31) U10.11 35.18,57.02 37.08,55.12 37.08,46.61 37.97,45.72 37.97,36.32 v2(47.88,26.42) 47.88,23.5 49.85,21.53 56.51,21.53 62.84,27.85 65.05,27.85 68.9,24 U17.4 ; U1.3 v2(22.55,25.85) ; U11.5 v2(52.96,59.31)
  Bottom w0.15: v2(52.96,59.31) 52.13,60.13 48.64,60.13 47.88,59.37 37.08,59.37 36.64,59.82 35.69,59.82 v2(35.18,59.31) ; v2(47.88,26.42) 44.01,30.29 27.33,30.29 22.9,25.85 v2(22.55,25.85)
/Buf/AccA7: length 120.6
  Top w0.15: v2(51.18,59.18) 51.2,59.2 U11.4 ; U1.4 21.25,26.35 v2(21.05,26.15) ; v2(36.45,59.31) U10.12 36.45,57.02 38.35,55.12 38.35,37.21 v2(49.15,26.42) 49.15,23.5 50.8,21.84 56.39,21.84 62.7,28.15 65.2,28.15 68.7,24.65 U17.3
  Bottom w0.15: v2(36.45,59.31) 36.7,59.06 48.01,59.06 48.77,59.82 50.55,59.82 v2(51.18,59.18) ; v2(21.05,26.15) 21.95,27.05 23.65,27.05 27.2,30.61 44.96,30.61 v2(49.15,26.42)
/Buf/AccA8: length 158.2
  Top w0.15: 50.42,25.03 v2(50.42,26.42) 39.62,37.21 39.62,54.48 37.08,57.02 37.08,59.5 29.4,67.18 27.31,67.18 26.92,67.56 U10.30 25.8,68.31 v2(25.78,68.33) ; v2(21.05,27.5) 21.2,27.35 U1.6 ; U14.39 50.42,23.5 51.75,22.16 56.26,22.16 62.55,28.45 65.35,28.45 68.5,25.3 U17.2 ; U11.23 v2(60.58,68.2)
  Bottom w0.15: v2(21.05,27.5) 21.2,27.35 23.5,27.35 27.07,30.92 45.91,30.92 v2(50.42,26.42) ; v2(25.78,68.33) 28.32,65.79 37.69,65.79 38.77,66.87 49.72,66.87 50.36,66.23 58.61,66.23 v2(60.58,68.2)
/Buf/AccA9: length 151.5
  Top w0.15: U18.9 63.51,29.85 56.13,22.48 52.7,22.48 51.69,23.5 v2(51.69,26.42) 40.89,37.21 v2(40.89,49.78) ; U10.2 v2(26.92,62.48) ; v2(51.31,55.63) 51.69,56.01 58.29,56.01 58.67,56.39 58.67,60.83 55.75,63.75 52.51,63.75 v2(52.32,63.94) 52.13,63.75 U11.1 ; U1.7 v2(22.55,27.85)
  Bottom w0.15: v2(51.69,26.42) 46.86,31.24 26.94,31.24 23.55,27.85 v2(22.55,27.85) ; v2(52.32,63.94) 52.13,63.75 48.26,63.75 46.74,62.23 41.66,62.23 40.83,63.06 27.5,63.06 v2(26.92,62.48) ; v2(51.31,55.63) 50.93,56.01 49.02,56.01 48.77,55.75 46.86,55.75 v2(40.89,49.78)
/Buf/AccA10: length 147.6
  Top w0.15: U18.8 64.54,30.5 64.24,30.2 63.41,30.2 56.01,22.8 53.66,22.8 52.96,23.5 v2(52.96,26.42) 42.16,37.21 v2(42.16,49.78) ; U10.5 v2(27.56,59.31) ; v2(50.04,55.12) 51.31,56.39 57.66,56.39 58.04,56.77 U11.9 v2(58.04,59.31) ; U1.8 v2(21.65,28.35)
  Bottom w0.15: v2(21.65,28.35) 23.6,28.35 26.8,31.56 47.82,31.56 v2(52.96,26.42) ; v2(58.04,59.31) 54.55,62.8 48.64,62.8 47.12,61.28 37.85,61.28 37.4,61.72 29.97,61.72 v2(27.56,59.31) ; v2(50.04,55.12) 49.97,55.05 47.43,55.05 v2(42.16,49.78)
/Buf/AccA11: length 149.2
  Top w0.15: U18.7 64.75,31.15 64.15,30.55 63.32,30.55 55.88,23.11 54.61,23.11 54.23,23.5 v2(54.23,26.42) 43.43,37.21 v2(43.43,49.78) ; U10.4 25.8,59.2 v2(25.78,59.18) ; v2(50.61,54.17) 52.07,55.63 58.55,55.63 59.31,56.39 U11.10 v2(59.31,59.31) ; U1.9 v2(22.55,28.85)
  Bottom w0.15: v2(54.23,26.42) 48.77,31.88 26.67,31.88 23.65,28.85 v2(22.55,28.85) ; v2(59.31,59.31) 55.5,63.12 48.51,63.12 46.99,61.6 37.97,61.6 37.53,62.04 28.64,62.04 v2(25.78,59.18) ; v2(50.61,54.17) 50.55,54.23 47.88,54.23 v2(43.43,49.78)
/Buf/AccA12: length 143.5
  Top w0.15: U1.10 v2(21.65,29.35) ; U18.6 64.95,31.8 64.05,30.9 63.23,30.9 57.34,25.02 v2(56.26,25.02) 56.25,25.03 55.5,25.03 55.5,26.29 44.7,37.08 v2(44.7,49.78) ; U10.23 v2(35.18,68.2) ; v2(49.78,53.34) 50.55,53.34 52.45,55.25 58.67,55.25 59.94,56.52 59.94,60.71 53.09,67.56 U11.30 51.2,68.31 v2(51.18,68.33)
  Bottom w0.15: v2(21.65,29.35) 23.7,29.35 26.54,32.19 49.59,32.19 56.26,25.53 v2(56.26,25.02) ; v2(35.18,68.2) 35.69,67.69 36.77,67.69 37.85,68.77 50.74,68.77 v2(51.18,68.33) ; v2(49.78,53.34) 48.26,53.34 v2(44.7,49.78)
/Buf/AccA13: length 144.4
  Top w0.15: U10.25 v2(32.64,68.2) ; U1.11 v2(22.55,29.85) ; v2(57.02,25.78) 57.01,25.79 57.01,26.54 ; 57.01,26.54 55.75,26.54 45.97,36.32 v2(45.97,49.78) ; 57.01,26.54 58.42,26.54 63.13,31.25 63.96,31.25 65.16,32.45 U18.5 ; v2(50.93,52.45) 52.96,54.48 58.93,54.48 61.21,56.77 61.21,59.94 v2(52.96,68.2) U11.29
  Bottom w0.15: v2(32.64,68.2) 33.46,67.37 37.02,67.37 38.1,68.45 50.36,68.45 50.99,67.82 52.58,67.82 v2(52.96,68.2) ; v2(50.93,52.45) 48.64,52.45 v2(45.97,49.78) ; 26.41,32.51 23.75,29.85 v2(22.55,29.85) ; v2(57.02,25.78) 56.51,25.78 49.78,32.51 26.42,32.51
/Buf/AccA14: length 141.6
  Top w0.15: U1.12 v2(21.65,30.35) ; v2(60.58,59.31) U11.11 60.58,56.64 58.8,54.86 52.58,54.86 50.04,52.32 v2(50.04,51.56) ; v2(47.24,49.78) 47.24,36.2 v2(55.63,27.81) 59.26,27.81 63,31.55 63.81,31.55 65.36,33.1 U18.4 ; U10.3 v2(26.92,61.21)
  Bottom w0.15: v2(47.24,49.78) 48.89,51.44 49.91,51.44 v2(50.04,51.56) ; v2(26.92,61.21) 27.37,61.21 28.51,62.36 37.66,62.36 38.1,61.91 46.86,61.91 48.39,63.44 56.45,63.44 v2(60.58,59.31) ; v2(55.63,27.81) 50.61,32.83 26.27,32.83 23.8,30.35 v2(21.65,30.35)
/Buf/AccA15: length 138.8
  Top w0.15: U1.13 v2(22.55,30.85) ; v2(49.78,50.55) 53.34,54.1 59.06,54.1 61.85,56.9 U11.12 v2(61.85,59.31) ; v2(48.51,49.78) 48.51,36.2 v2(55.63,29.08) 59.13,29.08 61.9,31.85 63.67,31.85 65.57,33.75 U18.3 ; U10.1 v2(26.92,63.75)
  Bottom w0.15: v2(26.92,63.75) 28.32,65.15 38,65.15 39.08,66.23 48.96,66.23 49.28,65.91 55.25,65.91 v2(61.85,59.31) ; v2(22.55,30.85) 23.85,30.85 26.14,33.15 51.56,33.15 v2(55.63,29.08) ; v2(49.78,50.55) 49.28,50.55 v2(48.51,49.78)
/Buf/AccA16: length 136.3
  Top w0.15: U10.26 v2(31.37,68.2) ; U1.14 v2(21.65,31.35) ; U11.28 v2(54.23,68.2) 54.23,67.69 62.48,59.44 62.48,57.02 59.18,53.72 53.72,53.72 49.78,49.78 49.78,36.2 v2(55.63,30.35) 59,30.35 60.8,32.15 63.52,32.15 65.77,34.4 U18.2
  Bottom w0.15: v2(54.23,68.2) 53.53,67.5 50.86,67.5 50.23,68.14 38.23,68.14 37.15,67.06 32.51,67.06 v2(31.37,68.2) ; v2(21.65,31.35) 23.9,31.35 26.01,33.46 52.51,33.46 v2(55.63,30.35)
/Buf/AccA17: length 137.8
  Top w0.15: U1.15 v2(22.55,31.85) ; U11.27 v2(55.5,68.2) 55.5,67.56 63.88,59.18 63.88,57.4 59.44,52.96 54.23,52.96 51.05,49.78 51.05,36.2 v2(55.63,31.62) 59.18,31.62 60.01,32.45 63.38,32.45 70.53,39.6 U2.8 ; v2(30.1,68.2) U10.27 v2(30.1,70.49)
  Bottom w0.15: v2(30.1,68.2) 31.56,66.74 37.27,66.74 38.35,67.82 50.1,67.82 50.74,67.18 54.48,67.18 v2(55.5,68.2) ; v2(22.55,31.85) 23.95,31.85 25.88,33.78 53.47,33.78 v2(55.63,31.62)
